# KiCad board polyPath.kicad_pcb (continued)
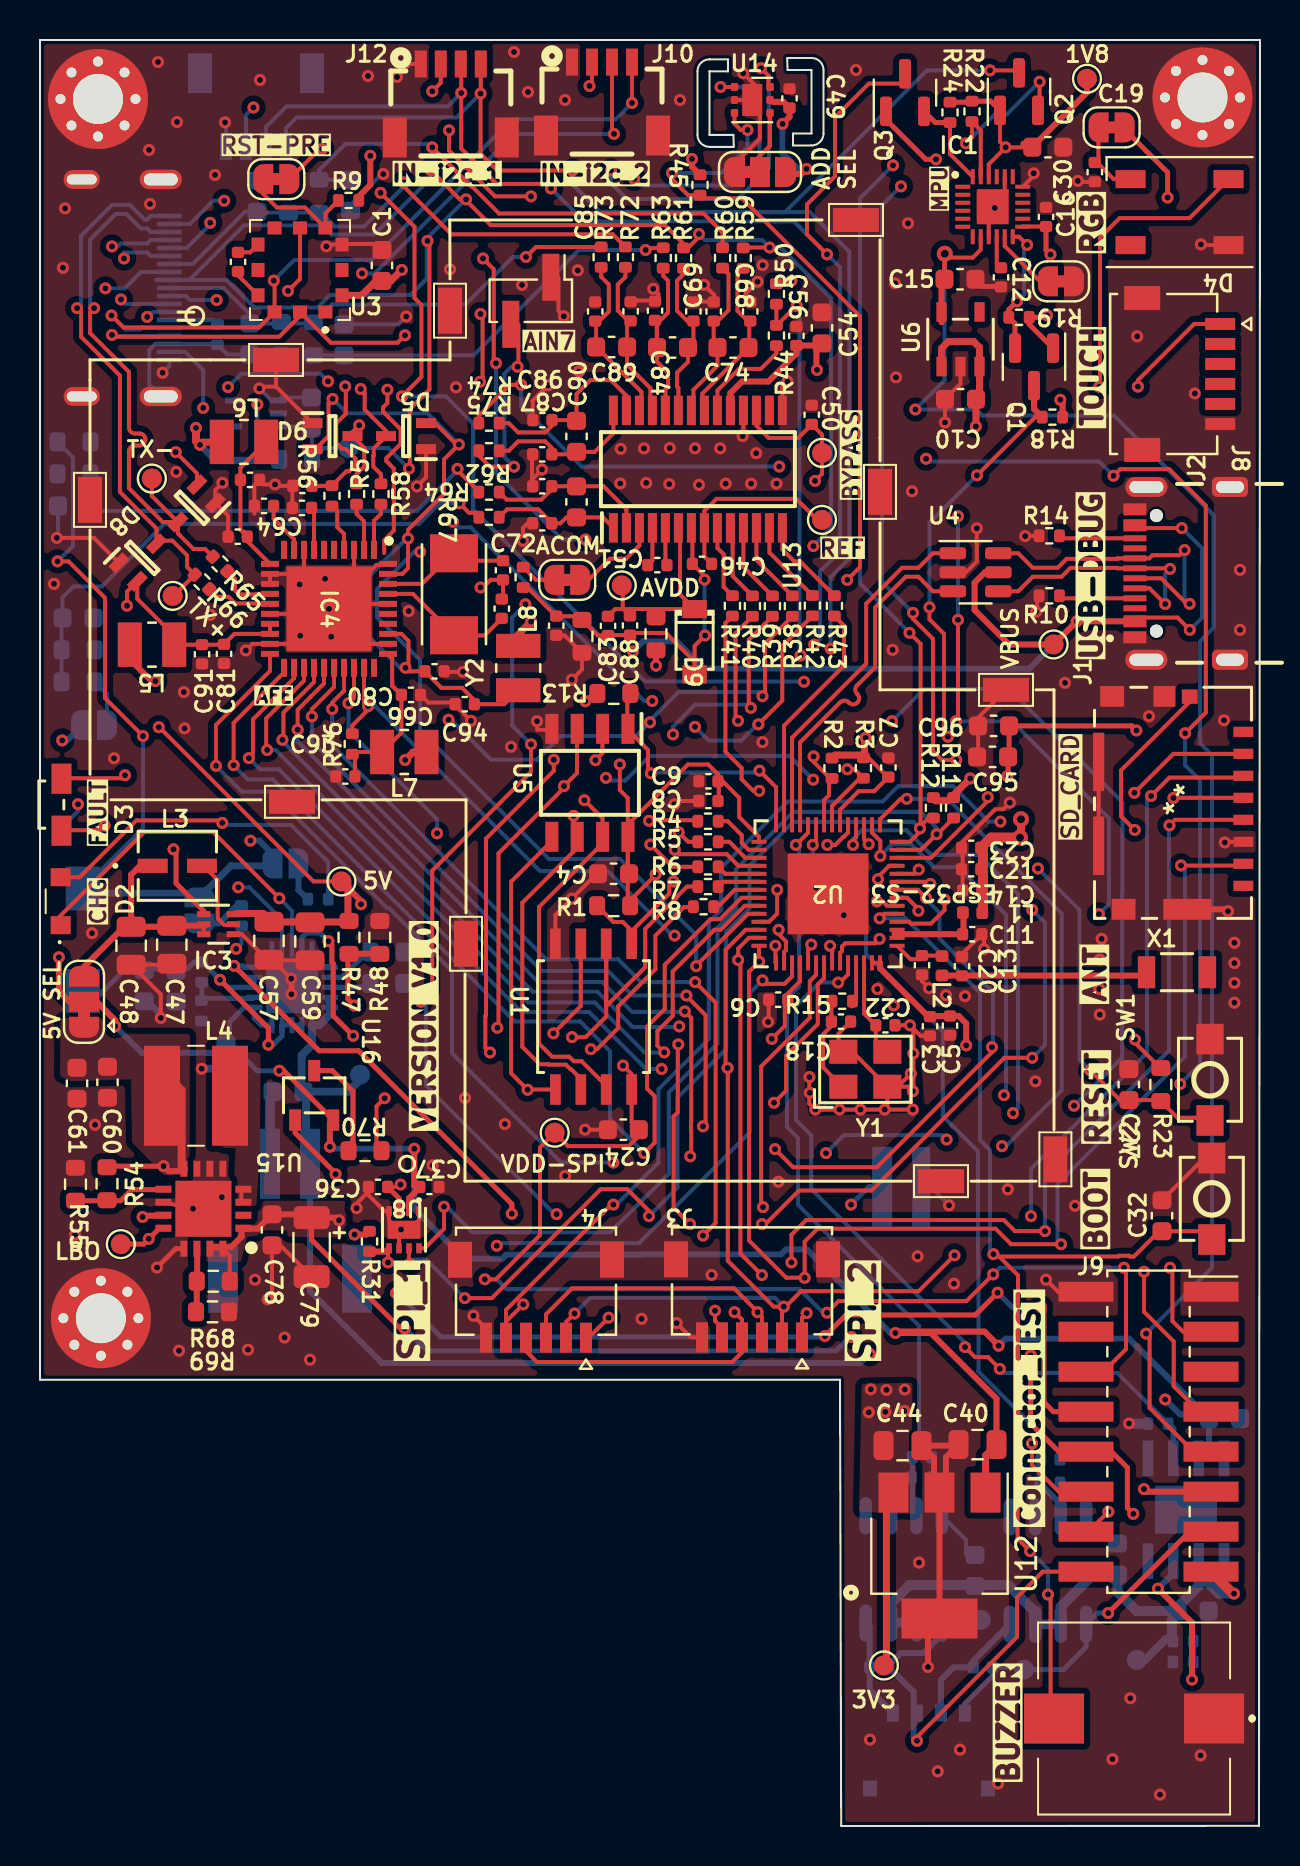
[diagram p0: board, top side]
## Routing (per net, layer and track width the routed paths; a pad name or vN(x,y) marks a point on that pad's centre or on a via; arc(x,y) is an arc through that point) (continued)
Net-(IC1-REGOUT): length 1.6
  Top w0.2: IC1.10 47.84,78.14 C12.1
Net-(IC3-FB): length 20.6
  Top w0.25: 15.4,43.62 15.4,41.35 v1(15.72,41.03) ; v1(6.67,48.84) 6.8,48.72 6.8,47.14 8.19,45.76 IC3.1
  Top w0.3: 15.4,43.62 16.92,43.62
  In2.Cu w0.25: v1(15.72,41.03) 15.72,41.42 12.31,44.83 11.15,44.83 7.13,48.84 v1(6.67,48.84)
Net-(IC3-SW): length 4
  Top w0.2: 8.15,48.05 8.89,47.31 8.89,45.39 9.21,45.06 9.77,45.06
Net-(IC4-BG): length 2.1
  Top w0.2: IC4.7 13.7,65.8 C63.2
Net-(IC4-TX_REF): length 2.6
  Top w0.2: IC4.9 12.7,64.36 11.68,65.38 C64.1
Net-(IC4-XIN): length 6.5
  Top w0.2: C67.2 20.98,63.28 20.62,63.64 19.1,62.12 IC4.38
Net-(IC4-XOUT): length 6.8
  Top w0.2: C77.1 22.23,59.54 20.62,59.54 ; IC4.37 18.65,61.62 20.29,59.98 20.29,59.54
Net-(J2-CC1): length 3.9
  Top w0.2: J2.A5 51,61.4 50.87,61.52
Net-(J2-CC2): length 3.8
  Top w0.2: J2.B5 51.1,64.4 R14.2
Net-(JP1-A): length 98.3
  Top w0.2: v1(24.55,81.5) 22.75,81.5 20.45,83.8 20.45,84.05 20.45,84.05 v1(20.45,84.8) ; v1(36.15,30.95) 36.06,31.04 36.06,37.98 38.49,40.42 38.49,42.25 38.8,42.57 U2.48 ; v1(22,72.23) 22.13,72.35 22.13,75.52 v1(22.03,75.62) ; JP1.1 13.97,83.87 v1(14.11,83.87) ; v1(24.55,54.09) 24.55,52.72 19.61,47.78 19.61,41.79 v1(19.04,41.22)
  In2.Cu w0.2: v1(22,72.23) 22.13,72.1 22.13,68.91 22.94,68.1 22.94,62.43 v1(24.27,61.1) ; v1(25.83,30.6) 26.93,31.7 35.4,31.7 v1(36.15,30.95) ; v1(14.11,83.87) 15.04,84.8 v1(20.45,84.8) ; v1(22.03,75.62) 22.03,75.69 22.82,76.49 22.82,79.78 v1(24.55,81.5)
  Bottom w0.2: v1(25.83,30.6) 25.73,30.6 19.3,37.03 19.3,40.97 v1(19.04,41.22) ; v1(24.27,61.1) 23.61,60.44 23.61,55.03 v1(24.55,54.09)
Net-(JP3-B): length 2
  Bottom w0.3: R27.1 12.92,46.82 12.92,47.79 13.15,48.02
Net-(JP4-B): length 2.5
  Bottom w0.3: JP4.2 8.95,45.14 9.85,46.04 R28.1
Net-(JP6-A): length 2.4
  Bottom w0.2: R29.1 3.35,56.59 JP6.1
Net-(JP8-C): length 3.3
  Top w0.2: U14.4 36.5,84.03 35.9,83.43 35.9,82.62
Net-(JP9-A): length 1.8
  Top w0.2: JP9.1 24.8,62.32 R67.1
Net-(U2-SPICLK): length 1.9
  Top w0.2: U2.33 34.26,47.62 34.08,47.8
Net-(U2-SPID): length 2.4
  Top w0.2: 33.87,45.95 34.74,46.82 U2.35
Net-(U2-SPIHD): length 2.9
  Top w0.2: R4.2 34.39,50.25 35.09,49.55 35.09,49.16 35.43,48.82 U2.30
Net-(U2-SPIQ): length 2.1
  Top w0.2: U2.34 34.16,47.22 33.92,46.98
Net-(U2-SPIWP): length 2.4
  Top w0.2: U2.31 35.26,48.42 34.7,48.98 34.7,48.99 34.47,49.22 R5.2
Net-(U3-VO+): length 1.6
  Top w0.2: 9.9,77.55 U3.4
  Top w0.25: C2.2 9.9,77.55
Net-(U3-VO-): length 1.2
  Top w0.2: C2.1 10.51,78.7 U3.6
Net-(U7-PROG1): length 2.1
  Bottom w0.254: 16.47,42.27 16.15,41.95 U7.13
Net-(U7-PROG3): length 2.6
  Bottom w0.254: U7.12 15.1,42.45 16.47,43.82
Net-(U7-THERM): length 41.4
  Top w0.254: v1(23.59,30.62) 23.59,31.11 15.93,38.77 13.95,38.77 v1(9.71,43.02)
  In2.Cu w0.254: v1(40.55,31.08) 39.26,29.79 37.68,29.79 36.14,28.25 26.18,28.25 23.81,30.62 v1(23.59,30.62)
  Bottom w0.254: U7.5 10.2,42.95 10.13,43.02 v1(9.71,43.02) ; NTC1.1 41.45,31.97 v1(40.55,31.08)
Net-(U7-VPCC): length 3.4
  Bottom w0.25: R16.2 8.09,41.45 8.14,41.4 10.66,41.4 U7.2
Net-(U9-OB): length 6.4
  Bottom w0.3: J6.2 45.04,7.31 45.68,7.94 C34.1 46.66,8.26 U9.4
Net-(U10-OB): length 5.1
  Bottom w0.3: U10.4 41.49,9.95 41.49,6.81 42.65,5.65
Net-(U11-FB): length 9
  Top w0.3: v1(55.9,11.87) 57.6,10.17 v1(57.6,7.32)
  Bottom w0.3: v1(55.9,11.87) 56.66,12.64 U11.7 ; v1(57.6,7.32) 57.6,8.23 57.66,8.3 57.66,9.31 57.61,9.36
Net-(U13-CAPN): length 1.9
  Top w0.2: C51.1 31.27,63.13 U13.5
Net-(U13-CAPP): length 2
  Top w0.2: U13.4 30.62,63.29 C51.2
Net-(U13-CS): length 3.9
  Top w0.2: U13.10 34.52,64.29 34.63,64.18 34.63,62.51 R40.1
Net-(U13-DIN): length 4.1
  Top w0.2: U13.12 35.82,63.32 R38.2
Net-(U13-DOUT/DRDY): length 4.3
  Top w0.2: U13.13 36.47,63.69 R42.1
Net-(U13-DRDY): length 4.6
  Top w0.2: R43.1 38,63.25 37.71,63.25 37.12,63.84 U13.14
Net-(U13-REFOUT): length 9.2
  Top w0.2: C46.1 33.22,63.48 U13.8 33.22,65.77 33.82,66.37 37.82,66.37 38.84,65.34 38.84,65.24
Net-(U13-RESET/PWDN): length 5.1
  Top w0.2: U13.20 33.87,71.79 34.95,72.87 36.05,72.87 36.82,73.65 36.82,74.01
Net-(U13-SCLK): length 4
  Top w0.2: U13.11 35.17,62.97 R39.2
Net-(U13-START): length 3.7
  Top w0.2: R41.1 34.18,61.97 34.18,63.6 33.87,63.91 U13.9
Net-(U15-FB): length 3.3
  Top w0.3: 7.86,28.95 7.86,27.27 R68.1 ; 7.84,25.79 7.84,27.42
Net-(U15-LBI): length 4.4
  Top w0.25: 6.29,31.82 4.58,31.82 4.03,31.27 2.1,31.27
Net-(U15-SW_1): length 0.6
  Top w0.2: 10.07,31.2 10.07,31.84
Net-(U16-C): length 5.8
  Top w0.254: 13.54,37.61 U16.3 14.62,37.78 15.65,36.75 15.65,34.25 15.18,33.77

## Copper pours and planes (outline as drawn; the poured copper is in the pictures)
+1V8 on In2.Cu: 44.25,84.6 50.95,84.6 51,74.7 47.8,74.95 47.8,78.15 46.1,78.1 46.15,76.65 44.25,76.65
+3.3V on Top: 43.77,15.61 43.82,18.08 43.57,18.06 43.63,22.17 41.08,22.12 40.95,15.71
+3.3V on In2.Cu: -3.5,93.32 -3.5,-2.68 64.5,-2.68 64.5,93.32
+5V on Top: 8.28,29.32 9.67,29.34 9.7,30.19 10.88,30.27 10.88,31.27 15.32,31.27 15.32,29.42 12.38,29.47 12.35,29.8 10.35,29.44 10.05,28.22 8.25,28.19
GND on Top: -2.5,-1.68 63.5,-1.68 63.5,92.32 -2.5,92.32
GND on Bottom: -4.5,94.32 -4.5,-2.68 65.5,-2.68 65.5,94.32
GND on In1.Cu: -1.5,91.32 -1.5,-0.68 62.5,-0.68 62.5,91.32
/BOOST2 on Top: 1,40.39 3.25,40.44 4.17,39.62 7.5,39.62 7.47,32.44 6.17,32.57 4.6,34.19 4.55,37.34 1.55,37.25 1,37.5 1.03,40.55
Net-(U15-SW_1) on Top: 9.73,30.08 9.68,31.78 9.78,33.89 9.1,33.92 9.05,38.76 11.03,38.68 11,33.76 10.75,30.08

## Text on the board
B.Silkscreen: TVV | TVM | BAT mono | FAULT | Battery-INPUT | STAT1 | 3V3 | 2V5 | VLIPO | STAT2 | EX-i2c | GND | PS | VA | MT | C_Motor&Valve | BATTERY
F.Silkscreen: AFE | + | MPU | 5V SEL | FAULT | CHG | AIN7 | ADD / SEL | LBO | TX- | RST-PRE | 5V | VDD-SPI | ACOM | AVDD | REF | 3V3 | 1V8 | BYPASS | VBUS | SD_CARD | TX+ | R65 | IN-i2c_1 | IN-i2c_2 | BUZZER | Connector_TEST | USB-DBUG | RGB | TOUCH | ANT | BOOT | RESET | VERSION V1.0 | SPI_1 | SPI_2
